# KiCad board robot-hub_rev4.kicad_pcb (continued)
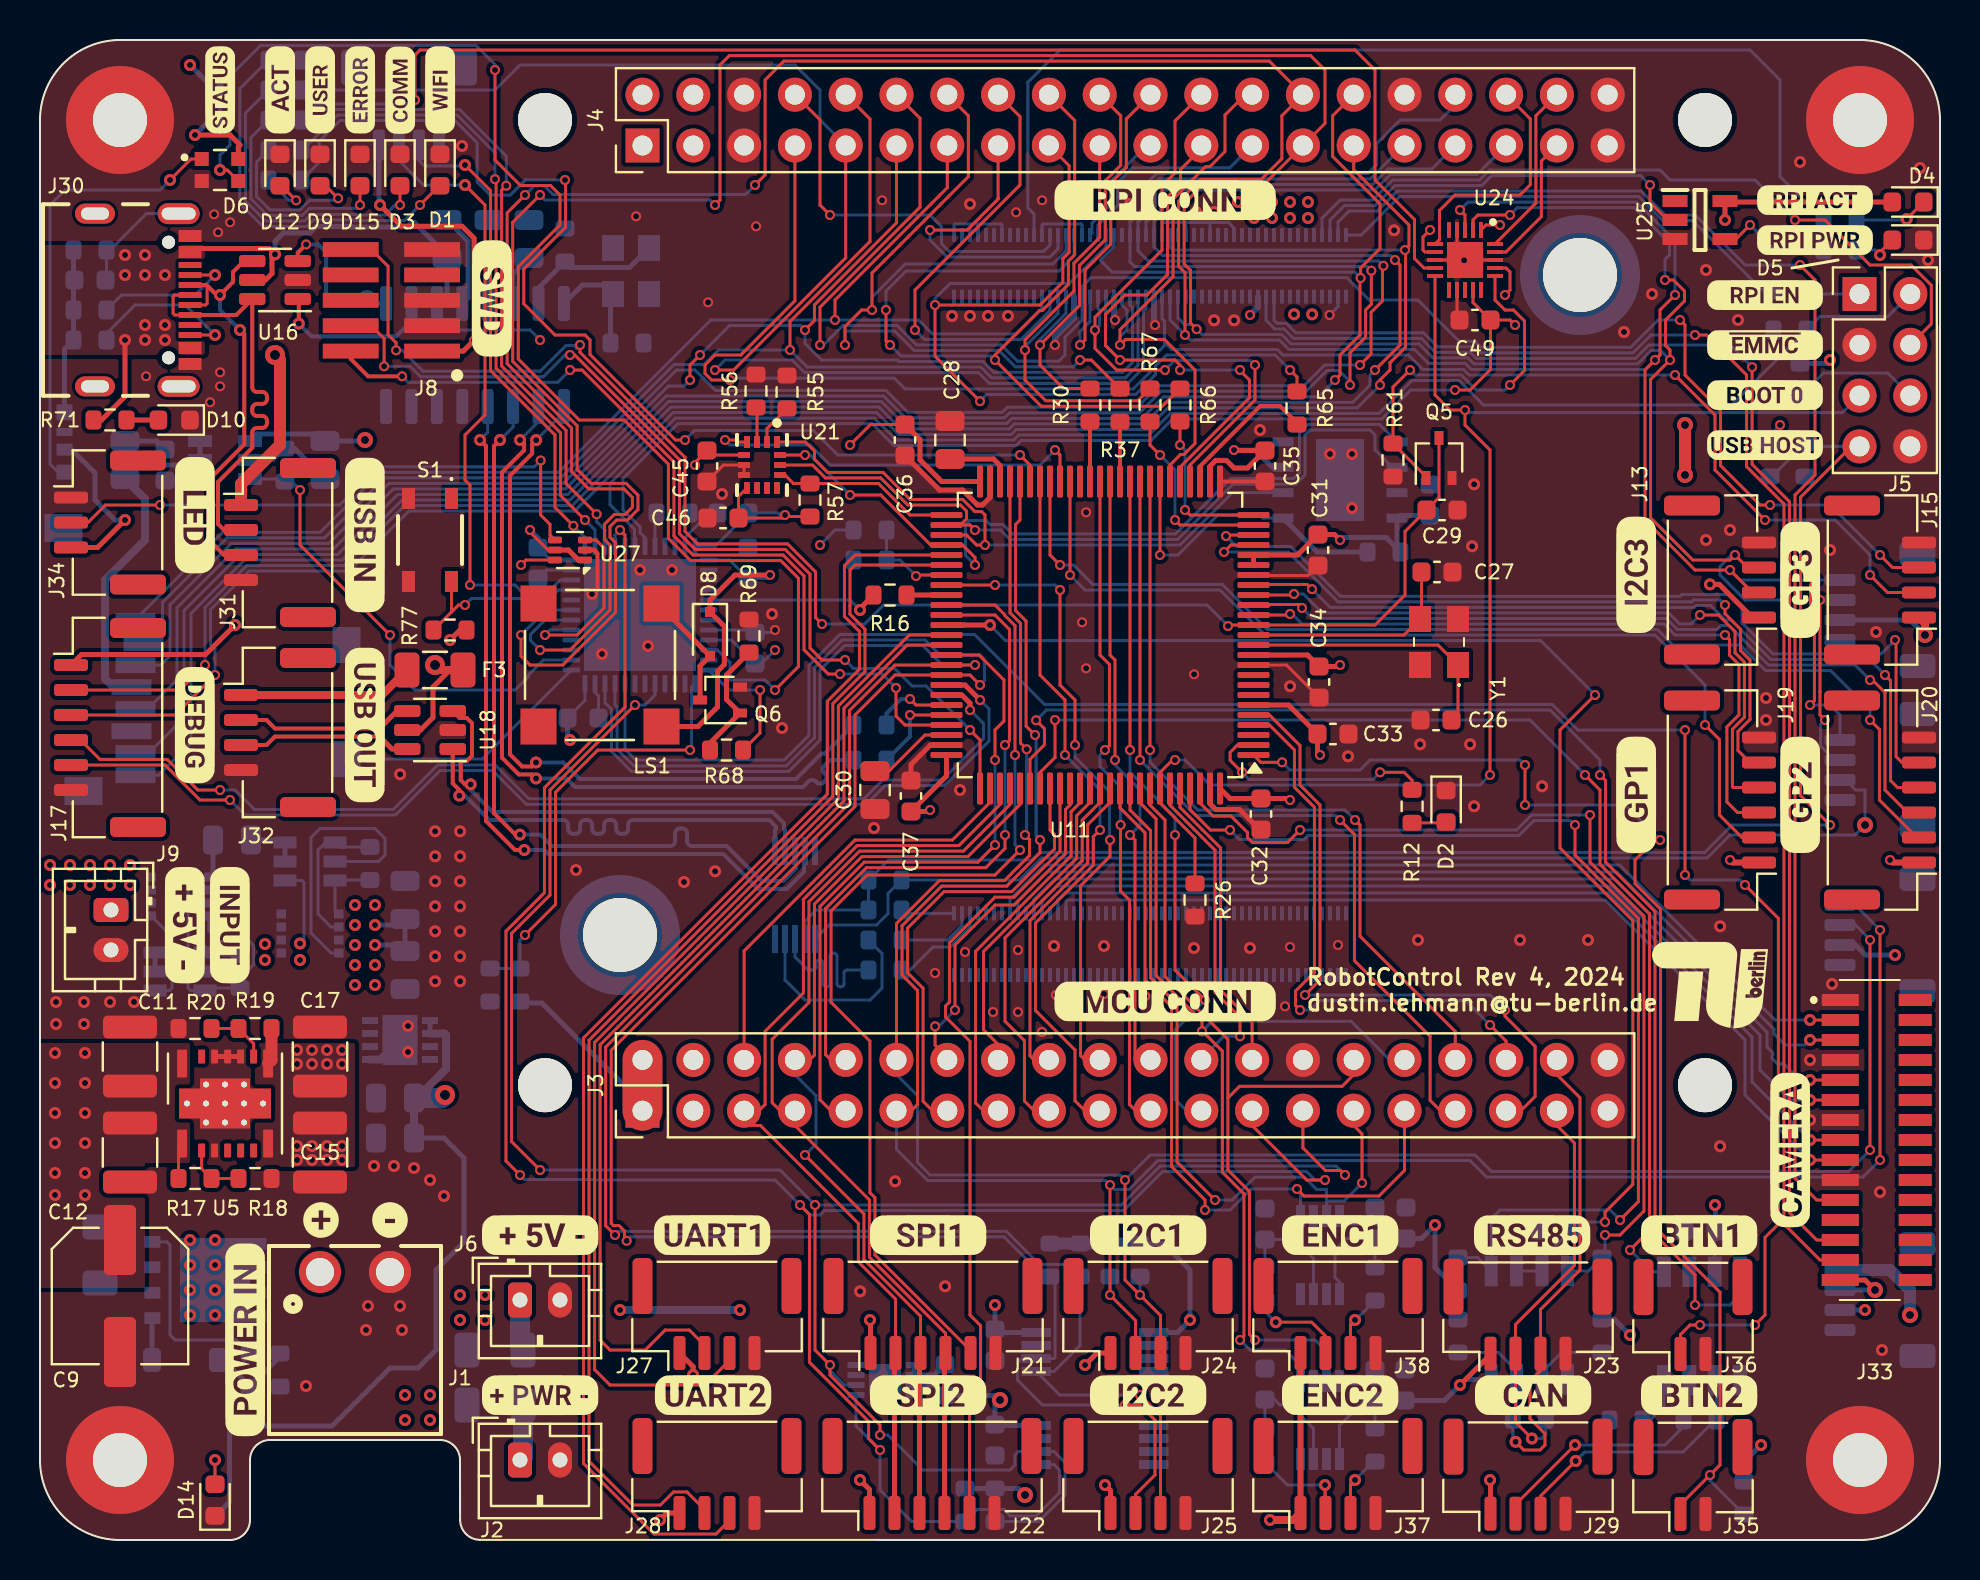
[diagram p0: board, top side]
## Library data of the parts (continued)
U2 U3 = -: Datasheet: http://cds.linear.com/docs/en/datasheet/4412fb.pdf; Description: Hot Swap Controller LTC4412ES6#TRMPBF, Positive Voltage, 2.5  28 V, TSOT-23, 6-Pin; Height: 1; Mouser Part Number: 584-LTC4412ES6TRMPBF; Mouser Price/Stock: https://www.mouser.co.uk/ProductDetail/Analog-Devices-Linear-Technology/LTC4412ES6TRMPBF?qs=hVkxg5c3xu8vBeVp9%252BXk%252Bg%3D%3D; Manufacturer_Name: Linear Technology
U5 = -: Datasheet: https://www.ti.com/lit/ds/symlink/tpsm53603.pdf; ki_fp_filters: Texas*B3QFN*1EP*5x5.5mm*P0.65mm*
U6 = -: Datasheet: https://www.onsemi.com/pdf/datasheet/ncv8187-d.pdf; Description: LDO Voltage Regulators 1.2 A LOW IQ LOW DROPOUT VOLTAGE REGULATOR WITH POWER GOOD OUTPUT; Height: 1; Mouser Part Number: 863-CV8187AMLE330TCG; Mouser Price/Stock: https://www.mouser.co.uk/ProductDetail/onsemi/NCV8187AMLE330TCG?qs=HBWAp0VN4RhK8HbhfCLXcQ%3D%3D; Manufacturer_Name: ON Semiconductor
U7 U8 = -: Datasheet: https://www.arrow.com/en/products/m24512-dfdw6tp/stmicroelectronics; Description: EEPROM Serial-I2C 512K-bit 64K x 8 1.8V/2.5V/3.3V/5V 8-Pin TSSOP T/R; Height: 1.2; Mouser Part Number: 511-M24512-DFDW6TP; Mouser Price/Stock: https://www.mouser.co.uk/ProductDetail/STMicroelectronics/M24512-DFDW6TP?qs=gNDSiZmRJS9C0LA%252B72O%2FCg%3D%3D; Manufacturer_Name: STMicroelectronics
U9 = -: Datasheet: http://www.ti.com/lit/gpn/tps22810-q1; Description: Automotive 18V, 2A, 79m Load Switch With Adjustable Rise Time and Adjustable Quick Output Discharge; Height: 1.45; Mouser Part Number: 595-TPS22810TDBVRQ1; Mouser Price/Stock: https://www.mouser.co.uk/ProductDetail/Texas-Instruments/TPS22810TDBVRQ1?qs=55YtniHzbhC0pJNCFuxHfA%3D%3D; Manufacturer_Name: Texas Instruments
U10 = -: Datasheet: http://www.cypress.com/file/136076/download; Description: F-RAM F-RAM Memory Serial; Height: 0.8; Manufacturer_Name: Cypress Semiconductor; Mouser Part Number: 727-FM25V20A-DGQTR; Mouser Price/Stock: https://www.mouser.co.uk/ProductDetail/Cypress-Semiconductor/FM25V20A-DGQTR?qs=3Bi3m9r5MQaAAGOKvDXXuw%3D%3D
U11 = -: Datasheet: http://www.st.com/st-web-ui/static/active/en/resource/technical/document/datasheet/DM00387108.pdf; ki_fp_filters: LQFP*14x14mm*P0.5mm*
U16 U18 = -: Datasheet: http://www2.st.com/resource/en/datasheet/CD00050750.pdf; ki_fp_filters: SOT?23*
U19 = -: Datasheet: https://www.onsemi.com/pub/Collateral/FSUSB42-D.PDF; ki_fp_filters: MSOP*3x3mm*P0.5mm*
U21 = -: Description: IMUs - Inertial Measurement Units 9-axis (9DOF) Absolute Orientation MEMS Sensor; Height: 0.88; Manufacturer_Name: Bosch Sensortec; Mouser Part Number: 262-BMX160; Mouser Price/Stock: https://www.mouser.co.uk/ProductDetail/Bosch-Sensortec/BMX160?qs=w%2Fv1CP2dgqoayZdn49CsrA%3D%3D
U22 = -: Datasheet: http://www.nxp.com/docs/en/data-sheet/PCT2075.pdf; Description: NXP - PCT2075TP,147 - Temperature Sensor IC, Digital, +/- 2C, -55 C, 125 C, SON, 8 Pins; Height: 0.8; Mouser Part Number: 771-PCT2075TP147; Mouser Price/Stock: https://www.mouser.co.uk/ProductDetail/NXP-Semiconductors/PCT2075TP147?qs=8kBc1%252BPe71eEyKWf3YBaGA%3D%3D; Manufacturer_Name: NXP
U24 = -: Datasheet: https://www.semtech.com/products/smart-sensing/io-expanders/sx1508b; Description: Lowest Voltage Level Shifting GPIO with LED Driver 20-Pin QFN-UT EP T/R; Height: 0.6; Mouser Part Number: 947-SX1508BIULTRT; Mouser Price/Stock: https://www.mouser.co.uk/ProductDetail/Semtech/SX1508BIULTRT?qs=rBWM4%252BvDhIe1wnlgK0kn%2FQ%3D%3D; Manufacturer_Name: SEMTECH
U25 = -: Datasheet: http://www.onsemi.com/pub/Collateral/MC74VHC1G14-D.PDF; Height: 1.1; Mouser Part Number: 863-MC74VHC1G14DTT1G; Mouser Price/Stock: https://www.mouser.co.uk/ProductDetail/ON-Semiconductor/MC74VHC1G14DTT1G?qs=YOLdObVcOZkwAVViVe9vSg%3D%3D; Manufacturer_Name: ON Semiconductor
U26 U27 = -: Datasheet: https://www.diodes.com/assets/Datasheets/74LVC1T45.pdf; Description: Translation - Voltage Levels Sgl Bit 1 Gate 5.5V 24mA 16uA 3 State; Height: 0.6; Mouser Part Number: 621-74LVC1T45Z6-7; Mouser Price/Stock: https://www.mouser.co.uk/ProductDetail/Diodes-Incorporated/74LVC1T45Z6-7?qs=Oxncjon6mbri043VV7aCkA%3D%3D; Manufacturer_Name: Diodes Inc.
U28 U29 = -: Datasheet: http://www.ti.com/lit/gpn/sn74lvc3g17; Description: Texas Instruments SN74LVC3G17DCTR, Triple, Schmitt Trigger Buffer, Non-Inverting, 1.65  5.5 V, 8-Pin SSOP; Height: 1.3; Manufacturer_Name: Texas Instruments; Mouser Part Number: 595-SN74LVC3G17DCTR; Mouser Price/Stock: https://www.mouser.co.uk/ProductDetail/Texas-Instruments/SN74LVC3G17DCTR?qs=0smPjiIwnfJoh6NdDLRU8g%3D%3D
U30 = -: Datasheet: http://www.ti.com/lit/ds/symlink/sn65hvd230.pdf; ki_fp_filters: SOIC*3.9x4.9mm*P1.27mm*
U31 = -: Datasheet: https://datasheets.maximintegrated.com/en/ds/MAX3483-MAX3491.pdf; ki_fp_filters: DIP*W7.62mm* SOIC*3.9x4.9mm*P1.27mm*
Y1 = -: ki_fp_filters: Crystal*
Y2 = -: Datasheet: https://ecsxtal.com/store/pdf/ecx-32.pdf; Description: Crystals 12.000MHz 20pF 10ppm -20C +70C; Height: 0.8; Manufacturer_Name: ECS; Mouser Part Number: 520-120-20-33-CKMT; Mouser Price/Stock: https://www.mouser.co.uk/ProductDetail/ECS/ECS-120-20-33-CKM-TR?qs=ttzZIJSyan3D8IeYzLfaEw%3D%3D

## Footprints (pads in the part's own frame, mm; a bottom-side part is the same pattern mirrored in y, then rotated)
117342485
  rect 0.6x1.85 smd: 1(7,-0.025) 2(6,-0.025) 3(5,-0.025) 4(4,-0.025) 5(3,-0.025) 6(2,-0.025) 7(1,-0.025) 8(0,-0.025) 9(-1,-0.025) 10(-2,-0.025) 11(-3,-0.025) 12(-4,-0.025) 13(-5,-0.025) 14(-6,-0.025) 15(-7,-0.025)
  rect 0.6x1.65 smd: 16(7,-3.775) 17(6,-3.775) 18(5,-3.775) 19(4,-3.775) 20(3,-3.775) 21(2,-3.775) 22(1,-3.775) 23(0,-3.775) 24(-1,-3.775) 25(-2,-3.775) 26(-3,-3.775) 27(-4,-3.775) 28(-5,-3.775) 29(-6,-3.775) 30(-7,-3.775)
434123025826
  rect 1.05x0.65 smd: 1(-2.075,1.075) 2(2.075,1.075) 3(-2.075,-1.075) 4(2.075,-1.075)
691322110002
  round 2.1 hole 1.4: 1(-1.75,0) 2(1.75,0)
C_0603_1608Metric
  rrect 0.9x0.95 smd: 1(-0.775,0) 2(0.775,0)
C_0805_2012Metric
  rrect 1x1.45 smd: 1(-0.95,0) 2(0.95,0)
C_1210_3225Metric
  rrect 1.15x2.7 smd: 1(-1.475,0) 2(1.475,0)
CP_Elec_6.3x5.2
  rrect 3.5x1.6 smd: 1(-2.8,0) 2(2.8,0)
D_SOD-123
  rrect 0.9x1.2 smd: 1(-1.65,0) 2(1.65,0)
D_SOD-323F
  rect 0.5x0.5 smd: 1(-1.1,0) 2(1.1,0)
ECS1202033CKMTR
  rect 1.3x1.1 smd: 1(-1.15,-0.9) 2(1.15,-0.9) 3(1.15,0.9) 4(-1.15,0.9)
ECS2501833BCKYTR
  rect 1.3x1.1 smd: 1(-1.15,-0.95) 2(1.15,-0.95) 3(1.15,0.95) 4(-1.15,0.95)
FTSH10501LDVK
  rect 0.74x2.79 smd: 1(-2.54,0) 2(-2.54,4.07) 3(-1.27,0) 4(-1.27,4.07) 5(0,0) 6(0,4.07) 7(1.27,0) 8(1.27,4.07) 9(2.54,0) 10(2.54,4.07)
Fuse_1206_3216Metric
  rrect 1.25x1.75 smd: 1(-1.4,0) 2(1.4,0)
GCT_MEM2061-01-188-00-A_REVA
  rect 0.8x2 smd: 1(1.94,-3.225) 2(0.84,-2.825) 3(-0.26,-3.225) 4(-1.36,-3.425) 5(-2.46,-3.225) 6(-3.56,-3.425) 7(-4.66,-3.225) 8(-5.76,-3.225)
  rect 1.8x1.4 smd: 9(-4.95,7.325) 10(0.75,7.325)
  rect 1.4x1.9 smd: 11(-6.55,-5.825) 12(6.6,-6.825)
GCT_USB4105-GF-A
  round 0.65 hole 0.65 unplated: (-2.89,3.68) (2.89,3.68)
  rect 0.6x1.15 smd: A1_B12(-3.2,4.755) A4_B9(-2.4,4.755) B1_A12(3.2,4.755) B4_A9(2.4,4.755)
  rect 0.3x1.15 smd: A5(-1.25,4.755) A6(-0.25,4.755) A7(0.25,4.755) A8(1.25,4.755) B5(1.75,4.755) B6(0.75,4.755) B7(-0.75,4.755) B8(-1.75,4.755)
  oval 1.05x2.1 hole 0.6x1.7: S1(-4.32,4.18) S4(4.32,4.18)
  oval 1x2 hole 0.6x1.4: S2(-4.32,0) S3(4.32,0)
JST_GH_BM02B-GHS-TBT_1x02-1MP_P1.25mm_Vertical
  rrect 0.6x1.7 smd: 1(-0.625,-1.95) 2(0.625,-1.95)
  rrect 1x2.8 smd: MP(-2.475,1.4) MP(2.475,1.4)
JST_GH_BM03B-GHS-TBT_1x03-1MP_P1.25mm_Vertical
  rrect 0.6x1.7 smd: 1(-1.25,-1.95) 2(0,-1.95) 3(1.25,-1.95)
  rrect 1x2.8 smd: MP(-3.1,1.4) MP(3.1,1.4)
JST_GH_BM04B-GHS-TBT_1x04-1MP_P1.25mm_Vertical
  rrect 0.6x1.7 smd: 1(-1.875,-1.95) 2(-0.625,-1.95) 3(0.625,-1.95) 4(1.875,-1.95)
  rrect 1x2.8 smd: MP(-3.725,1.4) MP(3.725,1.4)
JST_GH_BM06B-GHS-TBT_1x06-1MP_P1.25mm_Vertical
  rrect 0.6x1.7 smd: 1(-3.125,-1.95) 2(-1.875,-1.95) 3(-0.625,-1.95) 4(0.625,-1.95) 5(1.875,-1.95) 6(3.125,-1.95)
  rrect 1x2.8 smd: MP(-4.975,1.4) MP(4.975,1.4)
JST_PH_B2B-PH-K_1x02_P2.00mm_Vertical
  rrect 1.2x1.75 hole 0.75: 1(0,0)
  oval 1.2x1.75 hole 0.75: 2(2,0)
JST_SH_SM04B-SRSS-TB_1x04-1MP_P1.00mm_Horizontal
  rrect 0.6x1.55 smd: 1(-1.5,2) 2(-0.5,2) 3(0.5,2) 4(1.5,2)
  rrect 1.2x1.8 smd: MP(-2.8,-1.875) MP(2.8,-1.875)
LED_0603_1608Metric
  rrect 0.875x0.95 smd: 1(-0.787,0) 2(0.787,0)
LQFP-100_14x14mm_P0.5mm
  rrect 1.6x0.3 smd: 1(-7.675,6) 2(-7.675,5.5) 3(-7.675,5) 4(-7.675,4.5) 5(-7.675,4) 6(-7.675,3.5) 7(-7.675,3) 8(-7.675,2.5) 9(-7.675,2) 10(-7.675,1.5) 11(-7.675,1) 12(-7.675,0.5) 13(-7.675,0) 14(-7.675,-0.5) 15(-7.675,-1) 16(-7.675,-1.5) 17(-7.675,-2) 18(-7.675,-2.5) 19(-7.675,-3) 20(-7.675,-3.5) 21(-7.675,-4) 22(-7.675,-4.5) 23(-7.675,-5) 24(-7.675,-5.5) 25(-7.675,-6) 51(7.675,-6) 52(7.675,-5.5) 53(7.675,-5) 54(7.675,-4.5) 55(7.675,-4) 56(7.675,-3.5) 57(7.675,-3) 58(7.675,-2.5) 59(7.675,-2) 60(7.675,-1.5) 61(7.675,-1) 62(7.675,-0.5) 63(7.675,0) 64(7.675,0.5) 65(7.675,1) 66(7.675,1.5) 67(7.675,2) 68(7.675,2.5) 69(7.675,3) 70(7.675,3.5) 71(7.675,4) 72(7.675,4.5) 73(7.675,5) 74(7.675,5.5) 75(7.675,6)
  rrect 0.3x1.6 smd: 26(-6,-7.675) 27(-5.5,-7.675) 28(-5,-7.675) 29(-4.5,-7.675) 30(-4,-7.675) 31(-3.5,-7.675) 32(-3,-7.675) 33(-2.5,-7.675) 34(-2,-7.675) 35(-1.5,-7.675) 36(-1,-7.675) 37(-0.5,-7.675) 38(0,-7.675) 39(0.5,-7.675) 40(1,-7.675) 41(1.5,-7.675) 42(2,-7.675) 43(2.5,-7.675) 44(3,-7.675) 45(3.5,-7.675) 46(4,-7.675) 47(4.5,-7.675) 48(5,-7.675) 49(5.5,-7.675) 50(6,-7.675) 76(6,7.675) 77(5.5,7.675) 78(5,7.675) 79(4.5,7.675) 80(4,7.675) 81(3.5,7.675) 82(3,7.675) 83(2.5,7.675) 84(2,7.675) 85(1.5,7.675) 86(1,7.675) 87(0.5,7.675) 88(0,7.675) 89(-0.5,7.675) 90(-1,7.675) 91(-1.5,7.675) 92(-2,7.675) 93(-2.5,7.675) 94(-3,7.675) 95(-3.5,7.675) 96(-4,7.675) 97(-4.5,7.675) 98(-5,7.675) 99(-5.5,7.675) 100(-6,7.675)
MountingHole_2.7mm_M2.5_DIN965
  round 2.7 hole 2.7 unplated: (0,0)
MountingHole_2.7mm_M2.5_Pad
  round 5.4 hole 2.7: 1(0,0)
MSOP-10_3x3mm_P0.5mm
  rect 1.4x0.3 smd: 1(-2.2,1) 2(-2.2,0.5) 3(-2.2,0) 4(-2.2,-0.5) 5(-2.2,-1) 6(2.2,-1) 7(2.2,-0.5) 8(2.2,0) 9(2.2,0.5) 10(2.2,1)
PinHeader_2x04_P2.54mm_Vertical
  rect 1.7x1.7 hole 1: 1(0,0)
  oval 1.7x1.7 hole 1: 2(2.54,0) 3(0,-2.54) 4(2.54,-2.54) 5(0,-5.08) 6(2.54,-5.08) 7(0,-7.62) 8(2.54,-7.62)
PinHeader_2x20_P2.54mm_Vertical
  rect 1.7x1.7 hole 1: 1(0,0)
  oval 1.7x1.7 hole 1: 2(2.54,0) 3(0,-2.54) 4(2.54,-2.54) 5(0,-5.08) 6(2.54,-5.08) 7(0,-7.62) 8(2.54,-7.62) 9(0,-10.16) 10(2.54,-10.16) 11(0,-12.7) 12(2.54,-12.7) 13(0,-15.24) 14(2.54,-15.24) 15(0,-17.78) 16(2.54,-17.78) 17(0,-20.32) 18(2.54,-20.32) 19(0,-22.86) 20(2.54,-22.86) 21(0,-25.4) 22(2.54,-25.4) 23(0,-27.94) 24(2.54,-27.94) 25(0,-30.48) 26(2.54,-30.48) 27(0,-33.02) 28(2.54,-33.02) 29(0,-35.56) 30(2.54,-35.56) 31(0,-38.1) 32(2.54,-38.1) 33(0,-40.64) 34(2.54,-40.64) 35(0,-43.18) 36(2.54,-43.18) 37(0,-45.72) 38(2.54,-45.72) 39(0,-48.26) 40(2.54,-48.26)
PQFN50P300X250X88-14N
  rect 0.6x0.3 smd: 1(-1.15,0.75) 2(-1.15,0.25) 3(-1.15,-0.25) 4(-1.15,-0.75) 8(1.15,-0.75) 9(1.15,-0.25) 10(1.15,0.25) 11(1.15,0.75)
  rect 0.3x0.6 smd: 5(-0.5,-0.9) 6(0,-0.9) 7(0.5,-0.9) 12(0.5,0.9) 13(0,0.9) 14(-0.5,0.9)
QFN40P300X300X60-21N
  rect 0.8x0.2 smd: 1(-1.5,0.8) 2(-1.5,0.4) 3(-1.5,0) 4(-1.5,-0.4) 5(-1.5,-0.8) 11(1.5,-0.8) 12(1.5,-0.4) 13(1.5,0) 14(1.5,0.4) 15(1.5,0.8)
  rect 0.2x0.8 smd: 6(-0.8,-1.5) 7(-0.4,-1.5) 8(0,-1.5) 9(0.4,-1.5) 10(0.8,-1.5) 16(0.8,1.5) 17(0.4,1.5) 18(0,1.5) 19(-0.4,1.5) 20(-0.8,1.5)
  rect 1.8x1.8 smd: 21(0,0)
QFN-48-1EP_7x7mm_P0.5mm_EP5.6x5.6mm
  rrect 1.13x1.13 smd: (-2.1,-2.1) (-2.1,-0.7) (-2.1,0.7) (-2.1,2.1) (-0.7,-2.1) (-0.7,-0.7) (-0.7,0.7) (-0.7,2.1) (0.7,-2.1) (0.7,-0.7) (0.7,0.7) (0.7,2.1) (2.1,-2.1) (2.1,-0.7) (2.1,0.7) (2.1,2.1)
  rrect 0.875x0.25 smd: 1(-3.438,2.75) 2(-3.438,2.25) 3(-3.438,1.75) 4(-3.438,1.25) 5(-3.438,0.75) 6(-3.438,0.25) 7(-3.438,-0.25) 8(-3.438,-0.75) 9(-3.438,-1.25) 10(-3.438,-1.75) 11(-3.438,-2.25) 12(-3.438,-2.75) 25(3.438,-2.75) 26(3.438,-2.25) 27(3.438,-1.75) 28(3.438,-1.25) 29(3.438,-0.75) 30(3.438,-0.25) 31(3.438,0.25) 32(3.438,0.75) 33(3.438,1.25) 34(3.438,1.75) 35(3.438,2.25) 36(3.438,2.75)
  rrect 0.25x0.875 smd: 13(-2.75,-3.438) 14(-2.25,-3.438) 15(-1.75,-3.438) 16(-1.25,-3.438) 17(-0.75,-3.438) 18(-0.25,-3.438) 19(0.25,-3.438) 20(0.75,-3.438) 21(1.25,-3.438) 22(1.75,-3.438) 23(2.25,-3.438) 24(2.75,-3.438) 37(2.75,3.438) 38(2.25,3.438) 39(1.75,3.438) 40(1.25,3.438) 41(0.75,3.438) 42(0.25,3.438) 43(-0.25,3.438) 44(-0.75,3.438) 45(-1.25,3.438) 46(-1.75,3.438) 47(-2.25,3.438) 48(-2.75,3.438)
  rect 5.6x5.6 smd: 49(0,0)
R_0603_1608Metric
  rrect 0.8x0.95 smd: 1(-0.825,0) 2(0.825,0)
Raspberry-Pi-4-Compute-Module
  rect 0.7x0.2 smd: 1(-2,31.3) 2(1.08,31.3) 3(-2,30.9) 4(1.08,30.9) 5(-2,30.5) 6(1.08,30.5) 7(-2,30.1) 8(1.08,30.1) 9(-2,29.7) 10(1.08,29.7) 11(-2,29.3) 12(1.08,29.3) 13(-2,28.9) 14(1.08,28.9) 15(-2,28.5) 16(1.08,28.5) 17(-2,28.1) 18(1.08,28.1) 19(-2,27.7) 20(1.08,27.7) 21(-2,27.3) 22(1.08,27.3) 23(-2,26.9) 24(1.08,26.9) 25(-2,26.5) 26(1.08,26.5) 27(-2,26.1) 28(1.08,26.1) 29(-2,25.7) 30(1.08,25.7) 31(-2,25.3) 32(1.08,25.3) 33(-2,24.9) 34(1.08,24.9) 35(-2,24.5) 36(1.08,24.5) 37(-2,24.1) 38(1.08,24.1) 39(-2,23.7) 40(1.08,23.7) 41(-2,23.3) 42(1.08,23.3) 43(-2,22.9) 44(1.08,22.9) 45(-2,22.5) 46(1.08,22.5) 47(-2,22.1) 48(1.08,22.1) 49(-2,21.7) 50(1.08,21.7) 51(-2,21.3) 52(1.08,21.3) 53(-2,20.9) 54(1.08,20.9) 55(-2,20.5) 56(1.08,20.5) 57(-2,20.1) 58(1.08,20.1) 59(-2,19.7) 60(1.08,19.7) 61(-2,19.3) 62(1.08,19.3) 63(-2,18.9) 64(1.08,18.9) 65(-2,18.5) 66(1.08,18.5) 67(-2,18.1) 68(1.08,18.1) 69(-2,17.7) 70(1.08,17.7) 71(-2,17.3) 72(1.08,17.3) 73(-2,16.9) 74(1.08,16.9) 75(-2,16.5) 76(1.08,16.5) 77(-2,16.1) 78(1.08,16.1) 79(-2,15.7) 80(1.08,15.7) 81(-2,15.3) 82(1.08,15.3) 83(-2,14.9) 84(1.08,14.9) 85(-2,14.5) 86(1.08,14.5) 87(-2,14.1) 88(1.08,14.1) 89(-2,13.7) 90(1.08,13.7) 91(-2,13.3) 92(1.08,13.3) 93(-2,12.9) 94(1.08,12.9) 95(-2,12.5) 96(1.08,12.5) 97(-2,12.1) 98(1.08,12.1) 99(-2,11.7) 100(1.08,11.7) 101(31.92,31.3) 102(35,31.3) 103(31.92,30.9) 104(35,30.9) 105(31.92,30.5) 106(35,30.5) 107(31.92,30.1) 108(35,30.1) 109(31.92,29.7) 110(35,29.7) 111(31.92,29.3) 112(35,29.3) 113(31.92,28.9) 114(35,28.9) 115(31.92,28.5) 116(35,28.5) 117(31.92,28.1) 118(35,28.1) 119(31.92,27.7) 120(35,27.7) 121(31.92,27.3) 122(35,27.3) 123(31.92,26.9) 124(35,26.9) 125(31.92,26.5) 126(35,26.5) 127(31.92,26.1) 128(35,26.1) 129(31.92,25.7) 130(35,25.7) 131(31.92,25.3) 132(35,25.3) 133(31.92,24.9) 134(35,24.9) 135(31.92,24.5) 136(35,24.5) 137(31.92,24.1) 138(35,24.1) 139(31.92,23.7) 140(35,23.7) 141(31.92,23.3) 142(35,23.3) 143(31.92,22.9) 144(35,22.9) 145(31.92,22.5) 146(35,22.5) 147(31.92,22.1) 148(35,22.1) 149(31.92,21.7) 150(35,21.7) 151(31.92,21.3) 152(35,21.3) 153(31.92,20.9) 154(35,20.9) 155(31.92,20.5) 156(35,20.5) 157(31.92,20.1) 158(35,20.1) 159(31.92,19.7) 160(35,19.7) 161(31.92,19.3) 162(35,19.3) 163(31.92,18.9) 164(35,18.9) 165(31.92,18.5) 166(35,18.5) 167(31.92,18.1) 168(35,18.1) 169(31.92,17.7) 170(35,17.7) 171(31.92,17.3) 172(35,17.3) 173(31.92,16.9) 174(35,16.9) 175(31.92,16.5) 176(35,16.5) 177(31.92,16.1) 178(35,16.1) 179(31.92,15.7) 180(35,15.7) 181(31.92,15.3) 182(35,15.3) 183(31.92,14.9) 184(35,14.9) 185(31.92,14.5) 186(35,14.5) 187(31.92,14.1) 188(35,14.1) 189(31.92,13.7) 190(35,13.7) 191(31.92,13.3) 192(35,13.3) 193(31.92,12.9) 194(35,12.9) 195(31.92,12.5) 196(35,12.5) 197(31.92,12.1) 198(35,12.1) 199(31.92,11.7) 200(35,11.7)
RS1E260ATTB1
  rect 0.59x0.8 smd: 1(-1.905,-2.645) 2(-0.635,-2.645) 3(0.635,-2.645) 4(1.905,-2.645)
  rect 0.59x0.82 smd: 5(1.81,2.645) 6(0.635,2.645) 7(-0.635,2.645) 8(-1.81,2.645)
  rect 4.21x3.5 smd: 9(0,0.485)
SK6812SIDE
  rect 0.75x0.8 smd: 1(-1.505,0.325)
  rect 0.6x0.8 smd: 2(-0.38,0.325)
  rect 0.4x0.8 smd: 3(0.5,0.325)
  rect 0.8x0.8 smd: 4(1.48,0.325)
SO-16_3.9x9.9mm_P1.27mm
  rrect 1.75x0.6 smd: 1(-2.575,4.445) 2(-2.575,3.175) 3(-2.575,1.905) 4(-2.575,0.635) 5(-2.575,-0.635) 6(-2.575,-1.905) 7(-2.575,-3.175) 8(-2.575,-4.445) 9(2.575,-4.445) 10(2.575,-3.175) 11(2.575,-1.905) 12(2.575,-0.635) 13(2.575,0.635) 14(2.575,1.905) 15(2.575,3.175) 16(2.575,4.445)
SOIC127P600X175-8N
  rect 1.525x0.7 smd: 1(-2.712,1.905) 2(-2.712,0.635) 3(-2.712,-0.635) 4(-2.712,-1.905) 5(2.712,-1.905) 6(2.712,-0.635) 7(2.712,0.635) 8(2.712,1.905)
SOIC127P600X175-8N#2
  rect 1.525x0.65 smd: 1(-2.712,1.905) 2(-2.712,0.635) 3(-2.712,-0.635) 4(-2.712,-1.905) 5(2.712,-1.905) 6(2.712,-0.635) 7(2.712,0.635) 8(2.712,1.905)
SON50P300X200X80-9N
  rect 0.85x0.3 smd: 1(-1.45,0.75) 2(-1.45,0.25) 3(-1.45,-0.25) 4(-1.45,-0.75) 5(1.45,-0.75) 6(1.45,-0.25) 7(1.45,0.25) 8(1.45,0.75)
  rect 1.6x1.6 smd: 9(0,0)
SON65P300X300X100-9N-D
  rect 0.8x0.35 smd: 1(-1.5,0.975) 2(-1.5,0.325) 3(-1.5,-0.325) 4(-1.5,-0.975) 5(1.5,-0.975) 6(1.5,-0.325) 7(1.5,0.325) 8(1.5,0.975)
  rect 1.75x2.5 smd: 9(0,0)
SON127P600X500X80-9N
  rect 1.05x0.45 smd: 1(-2.85,1.905) 2(-2.85,0.635) 3(-2.85,-0.635) 4(-2.85,-1.905) 5(2.85,-1.905) 6(2.85,-0.635) 7(2.85,0.635) 8(2.85,1.905)
  rect 2.4x4.1 smd: 9(0,0)
SOP65P400X130-8N
  rect 1.1x0.45 smd: 1(-1.95,0.975) 2(-1.95,0.325) 3(-1.95,-0.325) 4(-1.95,-0.975) 5(1.95,-0.975) 6(1.95,-0.325) 7(1.95,0.325) 8(1.95,0.975)
SOP65P640X120-8N
  rect 1.475x0.45 smd: 1(-2.938,0.975) 2(-2.938,0.325) 3(-2.938,-0.325) 4(-2.938,-0.975) 5(2.938,-0.975) 6(2.938,-0.325) 7(2.938,0.325) 8(2.938,0.975)
SOT95P275X110-5N
  rect 1.25x0.6 smd: 1(-1.25,0.95) 2(-1.25,0) 3(-1.25,-0.95) 4(1.25,-0.95) 5(1.25,0.95)
SOT95P280X100-6N
  rect 1.15x0.6 smd: 1(-1.25,0.95) 2(-1.25,0) 3(-1.25,-0.95) 4(1.25,-0.95) 5(1.25,0) 6(1.25,0.95)
SOT95P280X145-6N
  rect 1.2x0.6 smd: 1(-1.25,0.95) 2(-1.25,0) 3(-1.25,-0.95) 4(1.25,-0.95) 5(1.25,0) 6(1.25,0.95)
SOT-23-6
  rrect 1.325x0.6 smd: 1(-1.137,0.95) 2(-1.137,0) 3(-1.137,-0.95) 4(1.137,-0.95) 5(1.137,0) 6(1.137,0.95)
SOT-323_SC-70
  rect 0.7x0.45 smd: 1(-1,0.65) 2(-1,-0.65) 3(1,0)
SOT-563
  rrect 0.7x0.34 smd: 1(-0.75,0.5) 2(-0.75,0) 3(-0.75,-0.5) 4(0.75,-0.5) 5(0.75,0) 6(0.75,0.5)
SOTFL65P280X85-8N
  rect 0.475x0.45 smd: 1(-1.438,0.975) 2(-1.438,0.325) 3(-1.438,-0.325) 4(-1.438,-0.975) 5(1.438,-0.975) 6(1.438,-0.325) 7(1.438,0.325) 8(1.438,0.975)
Texas_B3QFN-14-1EP_5x5.5mm_P0.65mm_ThermalVia
  rrect 0.95x0.65 smd: (-0.625,0.475) (-0.625,-0.475) (0.625,0.475) (0.625,-0.475)
  rrect 0.6x1.15 smd: (-0.425,1.675) (-0.425,-1.675) (0.425,1.675) (0.425,-1.675)
  rrect 1.4x0.5 smd: 1(-2,2.145) 7(-2,-2.155) 8(2,-2.155) 14(2,2.145)
  rrect 0.7x0.35 smd: 2(-2.35,1.17) 3(-2.35,0.52) 4(-2.35,-0.13) 5(-2.35,-0.78) 6(-2.35,-1.43) 9(2.35,-1.43) 10(2.35,-0.78) 11(2.35,-0.13) 12(2.35,0.52) 13(2.35,1.17)
  round 0.5 hole 0.3: 15(-0.95,0.95) 15(-0.95,0) 15(-0.95,-0.95) 15(0,1.9) 15(0,0.95) 15(0,0) 15(0,-0.95) 15(0,-1.9) 15(0.95,0.95) 15(0.95,0) 15(0.95,-0.95)
  custom 2.5x4.6 smd: 15(0,0)
WA-SMSI-25
  round 6 hole 3.7 unplated: (0,0)
ws2812_2020
  rect 0.7x0.7 smd: 1(-0.915,0.55) 2(-0.915,-0.55) 3(0.915,-0.55) 4(0.915,0.55)
XDCR_CMT-7525-80-SMT-TR
  rect 1.8x1.8 smd: 1(3.075,3.075) 2(3.075,-3.075) N(-3.075,-3.075) P(-3.075,3.075)

## Nets
3V3_CM4: C20.1 C49.1 D4.2 J4.2 J4.4 J11.3 J12.2 J13.1 J15.1 J16.3 J33.15 Module1.78 Module1.84 Module1.86 R53.1 U1.43 U9.1 U19.1 U24.1 U24.7 U24.14 U24.17 U25.5
5V_EXT: C1.1 Q2.1 Q2.3 Q3.7 Q3.8 R5.1 U2.6
5V_IN: J9.1 Q2.5 Q2.6 U2.1
5V_REG: C15.1 C17.1 Q3.5 Q3.6 R19.1 U3.1 U5.7 U5.8
5V_USB: C42.1 J30.A4_B9 J30.B4_A9 J31.1 Q2.7 Q2.8 R8.1 R24.1 R71.1 U15.11 U16.5
+3V3: C3.1 C4.1 C5.1 C14.1 C16.1 C18.1 C19.1 C21.1 C22.2 C23.1 C31.1 C32.1 C33.1 C34.1 C35.2 C36.1 C37.1 C45.1 C46.1 C48.1 C50.1 C51.1 C52.1 D8.1 J3.3 J8.1 J10.1 J12.3 J14.3 J17.1 J19.1 J20.1 J21.1 J22.1 J23.1 J24.1 J25.1 J27.1 J28.1 J29.1 LS1.P R9.2 R10.2 R22.1 R27.1 R29.1 R31.1 R32.1 R47.1 R57.1 R74.1 R76.1 R77.1 R78.1 R81.1 R89.2 U1.1 U1.9 U1.24 U1.36 U1.48 U6.1 U6.2 U7.1 U7.8 U8.8 U10.3 U10.8 U11.6 U11.11 U11.20 U11.21 U11.27 U11.50 U11.75 U11.100 U21.5 U21.8 U22.7 U22.8 U26.1 U26.5 U27.1 U27.5 U28.8 U29.8 U30.3 U31.8
+5V: C2.1 C13.1 D6.4 D11.2 F2.1 F3.1 J3.4 J4.1 J4.3 J12.1 J34.3 J37.1 J38.1 Module1.77 Module1.79 Module1.81 Module1.83 Module1.85 Module1.87 Q3.1 Q3.3 R6.1 U3.6 U6.7 U6.8 U18.5 U26.6 U27.6
GND: C1.2 C2.2 C3.2 C4.2 C5.2 C9.2 C11.2 C12.2 C13.2 C14.2 C15.2 C16.2 C17.2 C18.2 C19.2 C20.2 C21.2 C22.1 C23.2 C24.2 C25.2 C26.2 C27.2 C28.1 C29.2 C30.1 C31.2 C32.2 C33.2 C34.2 C35.1 C36.2 C37.2 C41.2 C42.2 C43.2 C44.2 C45.2 C46.2 C48.2 C49.2 C50.2 C51.2 C52.2 C53.2 C54.2 C55.2 C56.2 D1.1 D2.1 D3.1 D5.1 D6.2 D9.1 D10.1 D11.4 D12.1 D14.1 D15.1 H3.1 H4.1 H5.1 H6.1 J1.2 J2.2 J3.28 J3.39 J3.40 J4.5 J4.6 J4.32 J4.39 J4.40 J5.3 J5.8 J6.2 J7.6 J7.10 J7.11 J7.12 J8.3 J8.5 J8.9 J9.2 J10.4 J11.4 J12.4 J13.4 J14.4 J15.4 J16.4 J17.6 J19.6 J20.6 J21.6 J22.6 J23.4 J24.4 J25.4 J27.4 J28.4 J29.4 J30.A1_B12 J30.B1_A12 J31.4 J32.4 J33.1 J33.4 J33.7 J33.10 J34.1 J35.2 J36.2 J37.4 J38.4 Module1.1 Module1.2 Module1.7 Module1.8 Module1.13 Module1.14 Module1.22 Module1.23 Module1.32 Module1.33 Module1.42 Module1.43 Module1.52 Module1.53 Module1.59 Module1.60 Module1.65 Module1.66 Module1.71 Module1.74 Module1.98 Module1.107 Module1.108 Module1.113 Module1.114 Module1.119 Module1.120 Module1.125 Module1.126 Module1.131 Module1.132 Module1.137 Module1.138 Module1.144 Module1.150 Module1.155 Module1.156 Module1.161 Module1.162 Module1.167 Module1.168 Module1.173 Module1.174 Module1.179 Module1.180 Module1.185 Module1.186 Module1.191 Module1.192 Module1.197 Module1.198 Q5.2 Q6.2 R2.2 R7.2 R11.2 R18.2 R20.2 R23.1 R25.2 R26.2 R42.1 R46.1 R48.2 R49.2 R50.2 R51.2 R52.1 R55.2 R56.2 R61.2 R69.2 R79.2 R80.2 R88.1 S1.3 S1.4 U1.8 U1.23 U1.35 U1.47 U1.49 U2.2 U2.3 U3.2 U3.3 U5.3 U5.10 U5.11 U5.12 U5.15 U6.5 U6.9 U7.2 U7.3 U7.4 U8.1 U8.2 U8.3 U8.4 U9.2 U10.4 U10.9 U11.10 U11.19 U11.26 U11.49 U11.74 U11.99 U15.12 U16.2 U18.2 U19.5 U19.10 U21.6 U21.7 U22.4 U22.5 U22.6 U22.9 U24.4 U24.8 U24.12 U24.18 U24.21 U25.3 U26.2 U27.2 U28.4 U29.4 U30.2 U31.5 Y1.2 Y1.4 Y2.2 Y2.4
/Microcontrollers/UC_USB_N: R35.1 U11.70
/Microcontrollers/UC_USB_P: R36.1 U11.71
ADC_V_PWR: R41.1 R42.2 U1.13
BOOT0: J5.5 R26.1 U11.94 U24.10
CAM_GPIO: J33.11 Module1.97
CAM_SCL: J33.13 Module1.80
CAM_SDA: J33.14 Module1.82
CAMC_N: J33.8 Module1.127
CAMC_P: J33.9 Module1.129
CAMD0_N: J33.2 Module1.115
CAMD0_P: J33.3 Module1.117
CAMD1_N: J33.5 Module1.121
CAMD1_P: J33.6 Module1.123
CANH: J29.2 R86.1 U30.7
CANL: J29.3 R86.2 U30.6
CANRX: U11.81 U30.4
CANTX: U11.82 U30.1
CC1: J30.A5 R49.1
CC2: J30.B5 R48.1
CM4_EN: J5.1 R64.2
CM4_EN_SIGNAL: J5.2 R46.2 U1.42
CM4_GPIO2: J4.27 J11.2 J13.3 J16.2 Module1.58 U1.31 U24.2
CM4_GPIO3: J4.28 J11.1 J13.2 J16.1 Module1.56 U1.30 U24.3
CM4_GPIO4: J4.7 J15.2 Module1.54
CM4_GPIO5: J4.12 J15.3 Module1.34
CM4_GPIO6: J4.20 Module1.30 R30.2
CM4_GPIO7: J4.25 Module1.37
CM4_GPIO8: J4.17 Module1.39 R65.1
CM4_GPIO9: J4.23 Module1.40 U11.30
CM4_GPIO10: J4.26 Module1.44 U11.31
CM4_GPIO11: J4.24 Module1.38 U11.29
CM4_GPIO12: J4.18 Module1.31 R66.1
CM4_GPIO13: J4.19 Module1.28 R67.1
CM4_GPIO14: J4.29 J17.3 Module1.55
CM4_GPIO15: J4.35 J17.2 Module1.51
CM4_GPIO16: J4.14 Module1.29 R37.1
CM4_GPIO17: J4.9 Module1.50 R3.1
CM4_GPIO18: J4.33 Module1.49
CM4_GPIO19: J4.16 Module1.26
CM4_GPIO20: J4.15 Module1.27
CM4_GPIO21: J4.8 Module1.25
CM4_GPIO22: J4.11 J7.5 Module1.46
CM4_GPIO23: J4.31 J7.3 Module1.47
CM4_GPIO24: J4.34 J7.7 Module1.45
CM4_GPIO25: J4.30 J7.8 Module1.41
CM4_GPIO26: J4.13 J7.1 Module1.24
CM4_GPIO27: J4.10 J7.2 Module1.48
CM4_IDSC: J4.21 Module1.35
CM4_IDSD: J4.22 Module1.36
CM4_NRST: Q5.1 R61.1 U24.16
CM4_USB_ROLE: J5.7 R4.2 R7.1 R8.2 R53.2 U19.2
CS_FLASH: R22.2 U10.1 U11.32
CS_IMU: R57.2 U11.51 U21.12
DETECT_USB: R24.2 R25.1 U11.57
ENABLE_SD: R23.2 U1.26 U9.3
ENC1_A: J3.30 U11.93 U28.7
ENC1_B: J3.32 U11.92 U28.5
ENC2_A: J3.29 U11.91 U29.7
ENC2_B: J3.31 U11.90 U29.5
ERROR_LED: R75.1 U1.39
IMU_INT1: U11.42 U21.4
L431_SCL: J3.27 R9.1 U1.17 U8.6 U22.2
L431_SDA: J3.25 R10.1 U1.40 U8.5 U22.1
L431_SWCLK: J10.3 U1.37
L431_SWDIO: J10.2 U1.34
nPWR_LED: Module1.95 U25.2
nRPIBOOT: J5.4 Module1.93
NRST: C29.1 J8.10 Q5.3 U11.14
PB1: J3.23 U11.35
PC0: J19.3 U11.15
PC1: J20.3 U11.16
PC8: J3.9 U11.65
PD2: J3.13 U11.83
PD4: J3.14 U11.85
PD5: J3.15 U11.86
PD6: J3.16 U11.87
PD7: J3.17 U11.88
PD8 (UART3_TX): J28.3 U11.55
PD9 (UART3_RX): J28.2 U11.56
PD11: J3.20 U11.58
PD14: J3.10 U11.61
PE7 (UART7_RX): J3.22 U11.37
PE8 (UART7_TX): J3.21 U11.38
PE11: J19.2 U11.41
PE13: J20.2 U11.43
PE14: J3.19 U11.44
POWER_IN: J1.1 Q1.5 Q1.6 Q1.7 Q1.8 Q1.9
PWM_BUZZER: R68.2 U1.12
PWM_NEOPIXEL_1: U1.10 U26.3
PWM_NEOPIXEL_2: U1.29 U27.3
RS485_1_A: J3.37 J23.2 R87.2 R89.1 U31.6
RS485_1_B: J3.38 J23.3 R87.1 R88.2 U31.7
RS485_EN: R79.1 U11.62 U31.2 U31.3
RS485_RX: R81.2 U11.97 U31.1
RS485_TX: R78.2 U11.98 U31.4
RUN_PG: Module1.92
SD_CARD_SWITCH: J7.9 U1.25
SD_POWER: C25.1 J7.4 U9.5 U9.6
SIGNAL_H7_L432: R16.1 U11.59
STAT_LED_2: R70.1 U1.38
SWCLK: J8.4 U11.76
SWDIO: J8.2 U11.72
SX1508_IO1: J4.36 U24.6
SX1508_IO6: J4.37 U24.19
SX1508_IO7: J4.38 U24.20
UC_AIN1: J3.34 U11.33
UC_AIN2: J3.33 U11.34
UC_AIN3: J19.4 U11.17
UC_AIN4: J20.4 U11.18
UC_CM4_D_N: R59.2 U19.4
UC_CM4_D_P: R60.2 U19.3
UC_I2C_INTERN_SCL: J25.2 R32.2 U1.21 U7.6 U11.67
UC_I2C_INTERN_SDA: J25.3 R31.2 U1.22 U7.5 U11.66
UC_LED1: R72.1 U11.45
UC_LED2: R12.1 U11.2
UC_PWM1: J3.36 U11.4
UC_PWM2: J3.35 U11.5
UC_PWM3: J20.5 U11.23
UC_PWM4: J19.5 U11.22
UC_SCL_2: J3.11 J14.1 J24.2 R29.2 U11.46
UC_SDA_2: J3.12 J14.2 J24.3 R27.2 U11.47
UC_SPI1_CS_EXT1: J22.5 U11.84
UC_SPI1_MISO: U10.2 U11.53 U21.1
UC_SPI1_MOSI: U10.5 U11.54 U21.14
UC_SPI1_SCLK: U10.6 U11.52 U21.13
UC_SPI2_CS_EXT1: J21.5 U11.60
UC_SPI2_MISO: J3.7 J21.4 J22.4 U11.79
UC_SPI2_MOSI: J3.8 J21.3 J22.3 U11.80
UC_SPI2_SCLK: J3.5 J21.2 J22.2 U11.78
UC_SPI_CM4_CS: R65.2 U11.28
UC_TIM1: J3.24 U11.95
UC_TIM2: J3.26 U11.96
UC_UART_CM4_RX: R66.2 U11.25
UC_UART_CM4_TX: R67.2 U11.24
UC_UART_EXT1_RX: J17.4 U11.69
UC_UART_EXT1_TX: J17.5 U11.68
UC_UART_EXT2_RX: J27.2 U11.64
UC_UART_EXT2_TX: J27.3 U11.63
UC_UART_EXT3_RX: J3.18 U11.89
UC_UART_EXT3_TX: J3.6 U11.77
UC_USB_D_N: R35.2 U15.1
UC_USB_D_P: R36.2 U15.2
USB_CM4_DEVICE_N: U15.3 U19.8
USB_CM4_DEVICE_P: U15.4 U19.9
USB_EXT_N: U18.1 U19.6
USB_EXT_OUT_N: J32.3 U18.6
USB_EXT_OUT_P: J32.2 U18.4
USB_EXT_P: U18.3 U19.7
USB_IN1_N: J30.A7 J30.B7 J31.3 U16.4
USB_IN1_P: J30.A6 J30.B6 J31.2 U16.6
USB_N: U15.9 U16.3
USB_P: U15.10 U16.1
USB_SHIELD: C41.1 J30.S1 R50.1
USER_BTN_EXT: J35.1 R76.2 U11.1
USER_BTN_EXT2: J36.1 U1.20
USER_BTN_OB: R77.2 S1.2 U1.33
V_PWR: C9.1 C11.1 C12.1 F1.2 F4.1 J3.1 J3.2 R17.1 R41.2 U5.1 U5.14
Net-(D1-A): D1.2 R3.2
Net-(D2-A): D2.2 R12.2
Net-(D3-A): D3.2 R58.2
Net-(D4-K): D4.1 R62.1
Net-(D5-A): D5.2 R63.1
Net-(D6-DI): D6.3 U26.4
Net-(D8-A): D8.2 LS1.N Q6.3
Net-(D9-A): D9.2 R70.2
Net-(D10-A): D10.2 R71.2
Net-(D11-DIN): D6.1 D11.1
Net-(D12-A): D12.2 R72.2
Net-(D14-A): D14.2 R74.2
Net-(D15-A): D15.2 R75.2
Net-(D16-A): D16.2 R1.2 R2.1
Net-(D16-K): D16.1 F1.1 Q1.1 Q1.2 Q1.3
Net-(J2-Pin_1): F4.2 J2.1
Net-(J5-Pin_6): J5.6 R47.2
Net-(J6-Pin_1): F2.2 J6.1
Net-(J32-Pin_1): F3.2 J32.1
Net-(J34-Pin_2): J34.2 U27.4
Net-(J37-Pin_2): J37.2 R84.2
Net-(J37-Pin_3): J37.3 R82.2
Net-(J38-Pin_2): J38.2 R85.2
Net-(J38-Pin_3): J38.3 R83.2
Net-(Module1A-Global_EN): Module1.99 R64.1
Net-(Module1A-PI_nLED_Activity): Module1.21 R62.2
Net-(Module1B-USB2_N): Module1.103 R59.1
Net-(Module1B-USB2_P): Module1.105 R60.1
Net-(Module1B-USB_OTG_ID): Module1.101 R4.1
Net-(Q1-G): Q1.4 R1.1
Net-(Q2-G1): Q2.2 R5.2 U2.4
Net-(Q2-G2): Q2.4 U2.5
Net-(Q3-G1): Q3.2 R6.2 U3.4
Net-(Q3-G2): Q3.4 U3.5
Net-(Q6-B): Q6.1 R68.1 R69.1
Net-(U1-PH0): R16.2 U1.5
Net-(U1-PH3): R11.1 U1.44
Net-(U5-EN): R17.2 R18.1 U5.2
Net-(U5-FB): R19.2 R20.1 U5.9
Net-(U9-CT): C24.1 U9.4
Net-(U11-PB2): R37.2 U11.36
Net-(U11-PE9): R30.1 U11.39
Net-(U11-PH0): C26.1 U11.12 Y1.1
Net-(U11-PH1): C27.1 U11.13 Y1.3
Net-(U11-VCAP1): C28.2 U11.48
Net-(U11-VCAP2): C30.2 U11.73
Net-(U15-VDD18): C44.1 U15.14
Net-(U15-VDD33): C43.1 U15.13
Net-(U15-XIN): R52.2 U15.16 Y2.1
Net-(U15-XOUT): R51.1 U15.15 Y2.3
Net-(U21-GND_1): R55.1 U21.2
Net-(U21-GND_2): R56.1 U21.3
Net-(U24-I/O[2]): R58.1 U24.9
Net-(U25-OUT~{Y}): R63.2 U25.4
Net-(U28-1A): C53.1 R82.1 U28.1
Net-(U28-2A): C55.1 R84.1 U28.3
Net-(U29-1A): C54.1 R83.1 U29.1
Net-(U29-2A): C56.1 R85.1 U29.3
Net-(U30-Rs): R80.1 U30.8

Pads without a net: D11 3; J8 6 7 8; J10 MP; J11 MP; J12 MP; J13 MP; J14 MP; J15 MP; J16 MP; J17 MP; J19 MP; J20 MP; J21 MP; J22 MP; J23 MP; J24 MP; J25 MP; J27 MP; J28 MP; J29 MP; J30 A8 B8 S2 S3 S4; J31 MP; J32 MP; J33 12 16 17 18 19 20 21 22 23 24 25 26 27 28 29 30; J34 MP; J35 MP; J36 MP; J37 MP; J38 MP; LS1 1 2; Module1 3 4 5 6 9 10 11 12 15 16 17 18 19 20 57 61 62 63 64 67 68 69 70 72 73 75 76 88 89 90 91 94 96 100 102 104 106 109 110 111 112 116 118 122 124 128 130 133 134 135 136 139 140 141 142 143 145 146 147 148 149 151 152 153 154 157 158 159 160 163 164 165 166 169 170 171 172 175 176 177 178 181 182 183 184 187 188 189 190 193 194 195 196 199 200; S1 1; U1 2 3 4 6 7 11 14 15 16 18 19 27 28 32 41 45 46; U5 4 5 6 13; U6 3 4 6; U7 7; U8 7; U10 7; U11 3 7 8 9 40; U15 5 6 7 8; U21 9 10 11; U22 3; U24 5 11 13 15; U25 1; U28 2 6; U29 2 6; U30 5

## Via types
v1: diameter 0.6, hole 0.3, Top to Bottom, 258 vias
v2: diameter 0.5, hole 0.3, Top to Bottom, 307 vias
v3: diameter 1, hole 0.5, Top to Bottom, 3 vias
v4: diameter 0.8, hole 0.4, Top to Bottom, 9 vias

## Routing (per net, layer and track width the routed paths; a pad name or vN(x,y) marks a point on that pad's centre or on a via; arc(x,y) is an arc through that point)
3V3_CM4: length 372.9
  Top w0.15: C49.1 72.53,58.53 71.5,57.5 v2(70.75,57.5) ; C49.1 73.5,61 v2(73.75,60.75) ; C49.1 71.65,61.88 U24.14 ; 72.75,63.6 73.3,63.6 73.5,63.4 73.5,62.5 v2(73.25,62.25) ; v2(69.5,65.5) 69.15,65.15 69.15,64.5 69.25,64.4 U24.7 ; 72.05,65.5 72.3,65.75 v2(73,65.75)
  Top w0.25: J33.15 91.25,13 v4(91.75,12.5) ; v1(83.5,47.78) 83.96,47.78 85.62,46.12 ; D4.2 84.3,66.9 ; U25.5 v1(84.25,66)
  Top w0.4: v4(94.25,45.25) 94.25,45.83 J15.1
  Top w0.6: v4(82.25,53.25) v4(82.25,55.75)
  POWER w0.4: v4(91.25,35.75) 92.75,35.75 94.25,34.25 ; J4.4 34.03,70.9 34.03,67.72 35,66.75 ; 94.25,34.25 v4(94.25,45.25) 93.2,46.3 87.7,46.3 86.22,47.78 v1(83.5,47.78) ; 94.25,34.25 94.25,13.5 93.25,12.5 v4(91.75,12.5)
  POWER w0.6: v2(73.75,60.75) 72.5,60.75 70.75,59 70.75,58.5 ; v2(73.75,60.75) 73.25,61.25 v2(73.25,62.25) ; v2(73.75,60.75) 75.25,59.25 79,59.25 82.25,56 v4(82.25,55.75) ; 67,68 37.5,68 36.25,66.75 35,66.75 ; 67,68 78.5,68 80.5,66 v1(84.25,66) ; 67,68 v2(69.5,65.5) ; v2(70.75,57.5) 70.75,58.5 ; 70.75,58.5 70.75,60.25 69.5,61.5 ; v2(69.5,65.5) 69.75,65.75 v2(73,65.75) ; v2(69.5,65.5) 69.5,61.5 ; v4(82.25,53.25) 91,53.25 92,52.25 92.25,52.25 94.25,50.25 v4(94.25,45.25) ; 69.5,61.5 68.55,60.55 64.19,60.55 63.6,61.14 v1(63.6,61.28) 63.5,61.28 63.54,61.25 62.74,61.25 v1(62.7,61.28) 62.67,61.25 v2(60.5,61.25) 59.75,62 50.85,62 49.15,60.3 46.05,60.3 42.5,56.75 32,56.75 27.5,61.25 21,61.25 20.25,60.5 20.25,57.5 17.75,55 v4(16.25,55) ; J4.2 J4.4
  Bottom w0.15: U19.1 39.45,30.75 41.83,30.75 42.4,31.32 42.4,32.33 R53.1 48.98,33 50.08,34.1 83.35,34.1 84.5,35.25 90.75,35.25 v4(91.25,35.75) 91.25,37.5 90.78,37.5 90.28,38 ; U1.43 30.25,50.12 30,50.37 30,50.66 29.15,51.51 29.15,53.08 31.88,55.82 41.61,55.82 42.7,54.72 48.8,54.72 49.05,54.98 55.55,54.98 56.63,56.05 67.09,56.05 68.54,57.5 v2(70.75,57.5)
  Bottom w0.25: v4(94.25,45.25) 93.5,46 J16.3 ; v4(16.25,55) 16.2,54.95 C20.1 ; U9.1 10.85,55.3 13.9,55.3 ; J12.2 v4(91.75,12.5)
  Bottom w0.3: v2(60.5,61.25) 60.9,61.65 Module1.78
